# Altium PCB RevA3.PcbDoc (part 5 of 5) (continued)
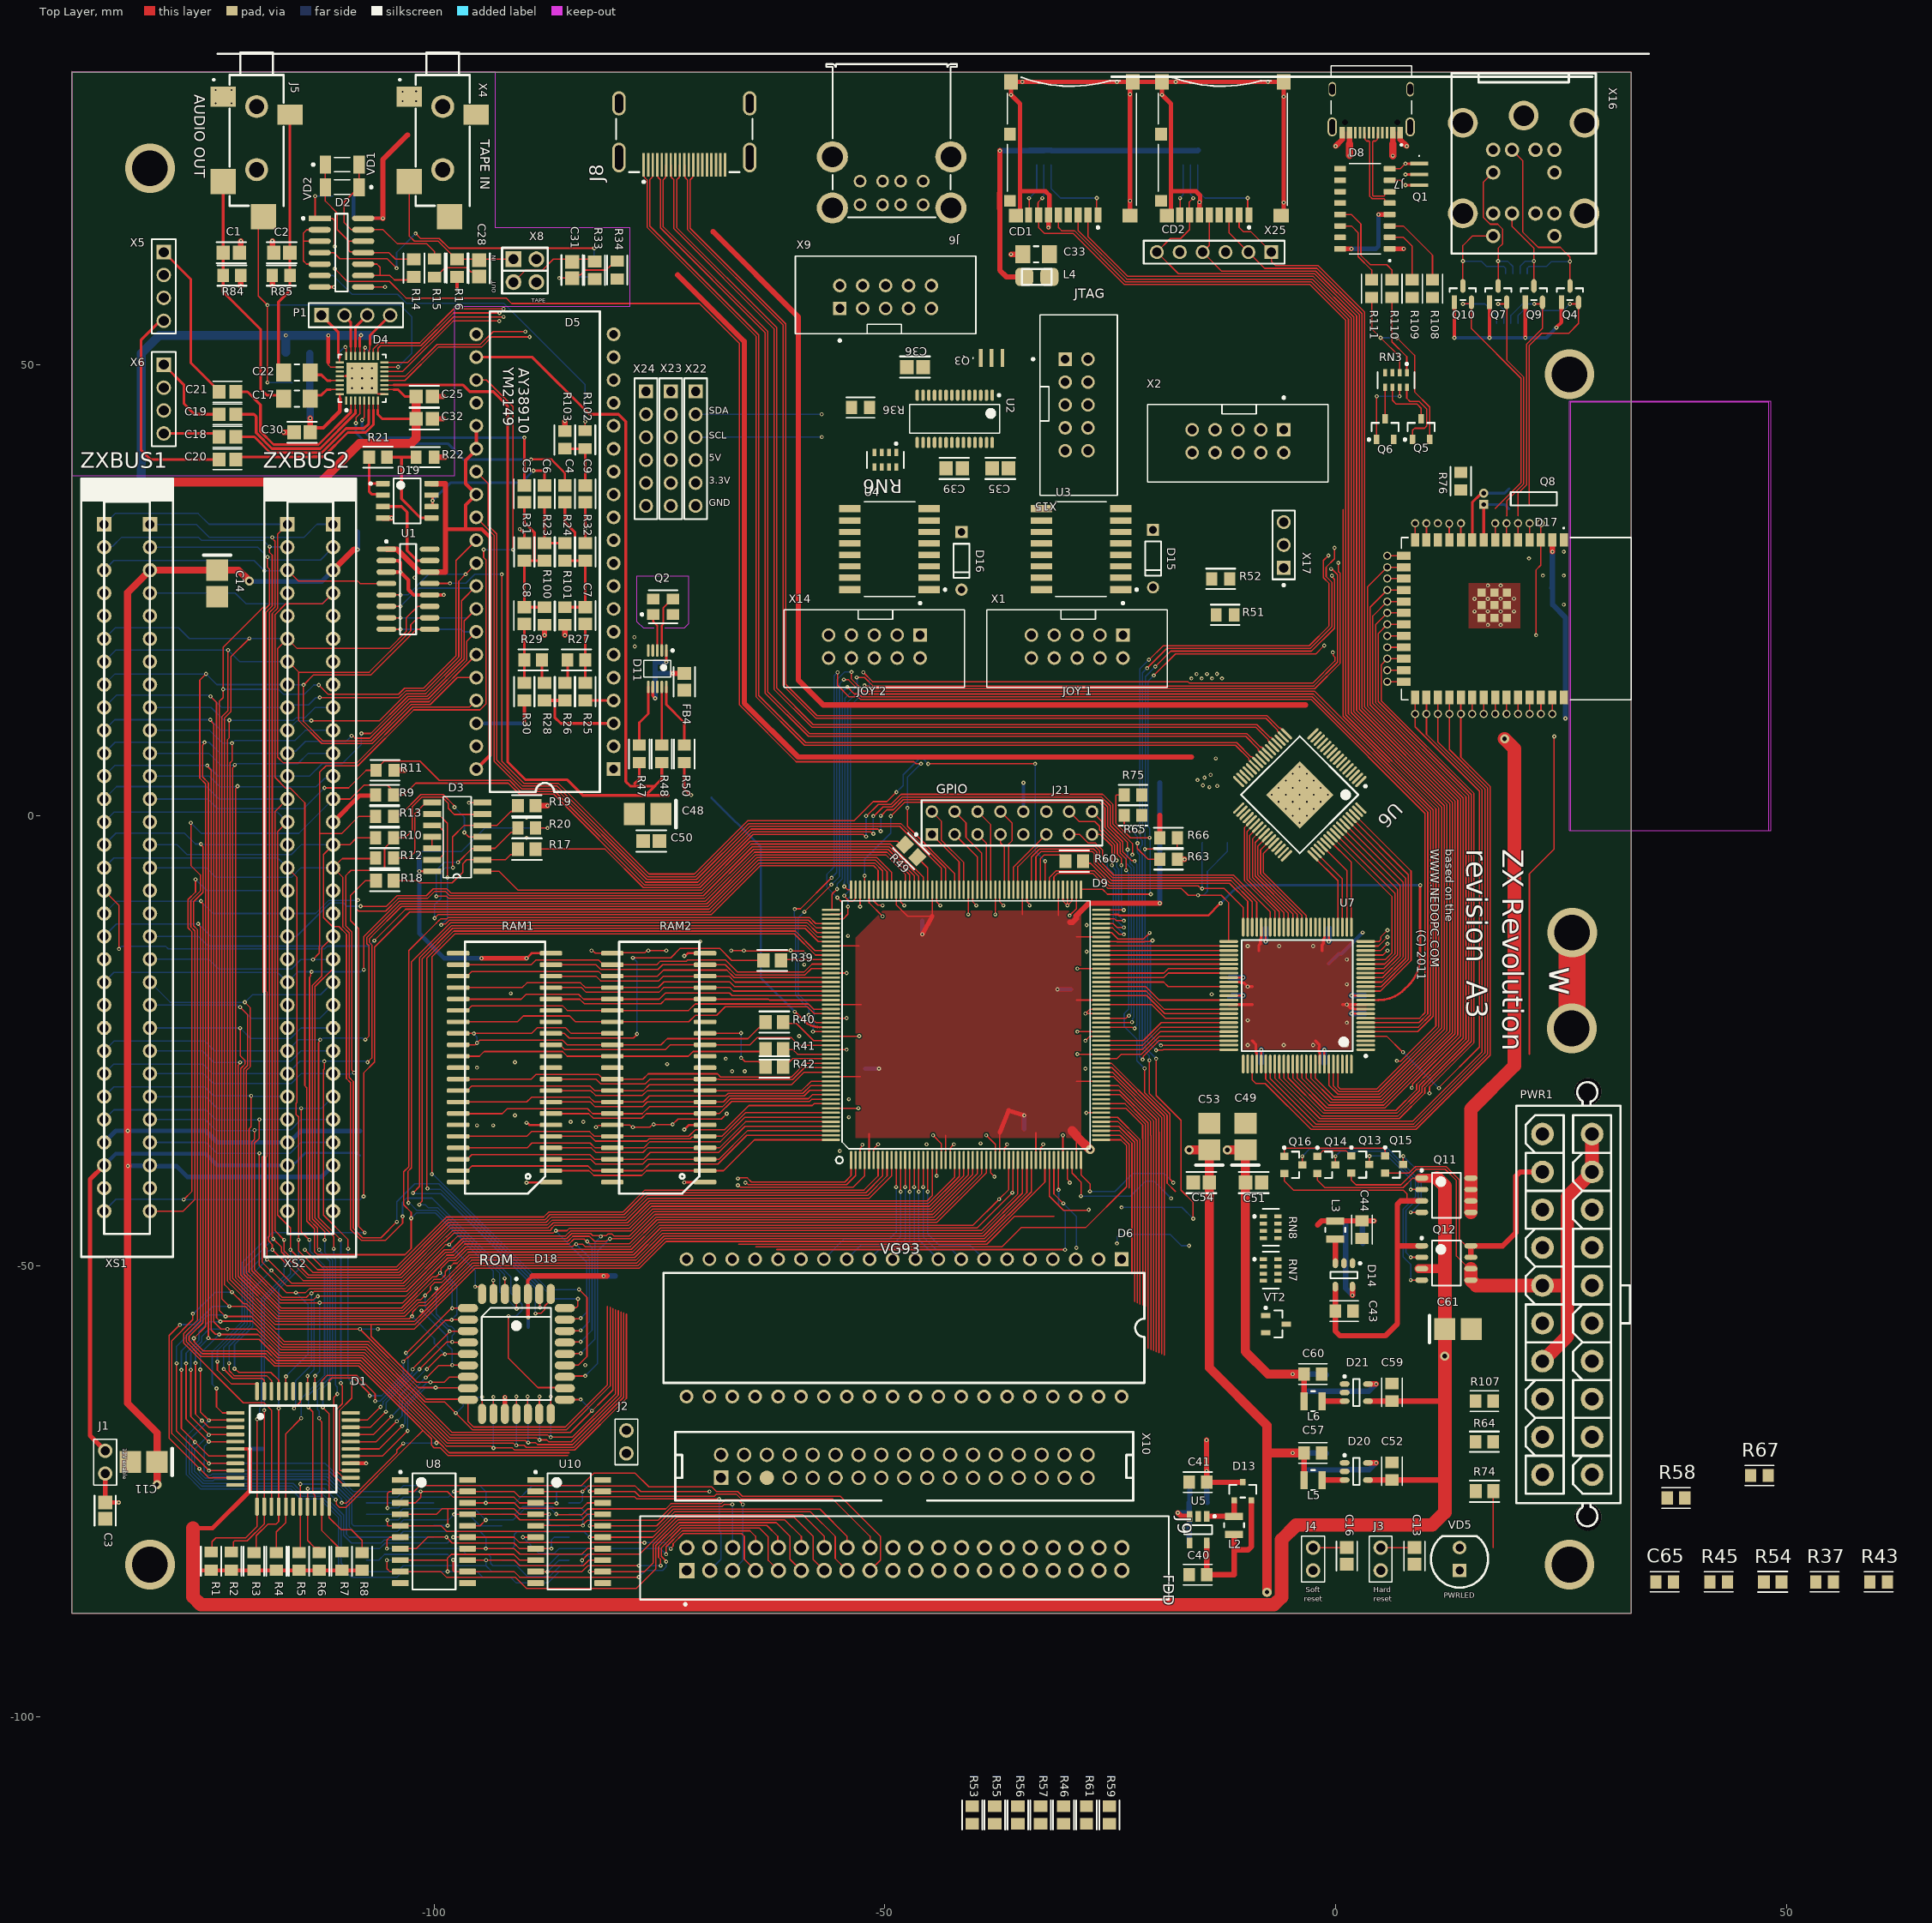
[diagram p0: Top Layer view]
## Nets (pads, with @x,y where several pads share a name; then routed paths per layer and width w, separated by ;. In a path a pad name is that pad's centre, name@x,y a point inside that pad or via, vN(x,y) a via of type N, cw(c..) or ccw(c..) an arc to the next point about the centre after c; other vN are vias at no path point) (continued)
  Bottom Layer w0.15: v1(-32.538,68.486) -32.538,68.607 -32.35,68.795 RN1.2@-32.35,72.2
SD0_MOSI_12: CD1.3 U7.95 | length 137.8
  Top Layer w0.15: CD1.3@-28.554,66.627 -28.554,64.88 -23.174,59.5 -2.591,59.5 1.729,55.18 1.729,11.394 12.058,1.066 12.058,-23.741 4.85,-30.949 0.253,-30.949 -0.75,-29.945 U7.95@-0.75,-27.6
SD0_SCLK_12: CD1.5 U7.96 | length 138.3
  Top Layer w0.15: CD1.5@-30.754,66.627 -30.75,66.623 -30.75,65.229 -30.4,64.88 -28.978,64.88 -23.299,59.2 -2.715,59.2 1.429,55.056 1.429,11.27 11.758,0.942 11.758,-23.616 4.726,-30.649 0.377,-30.649 -0.25,-30.021 U7.96@-0.25,-27.6
SD1_MISO_12: CD2.7 RN2.2 U7.91 X25.6 | length 142.1
  Top Layer w0.15: CD2.7@-16.258,66.627 -16.258,67.954 cw(c-16.108,67.954) -16.214,68.06 v1(-15.788,68.486) ; CD2.7@-16.204,66.627 -16.204,65 -17.204,64 -18.33,64 X25.6@-19.83,62.5 -17.43,60.1 -2.328,60.1 2.329,55.443 2.329,11.643 12.658,1.314 12.658,-23.989 5.098,-31.549 -0.364,-31.549 -2.75,-29.162 U7.91@-2.75,-27.6
  Bottom Layer w0.15: RN2.2@-16.1,72.2 -16.1,68.916 -15.788,68.604 v1(-15.788,68.486)
SD1_MOSI_12: CD2.3 U7.89 X25.2 | length 127.7
  Top Layer w0.15: CD2.3@-11.804,66.627 -11.804,64.634 X25.2@-9.67,62.5 -7.87,60.7 -2.079,60.7 2.929,55.692 2.929,11.891 13.258,1.563 13.258,-24.238 5.347,-32.149 -0.764,-32.149 -3.75,-29.162 U7.89@-3.75,-27.6
SD1_SCLK_12: CD2.5 U7.90 X25.4 | length 130.7
  Top Layer w0.15: CD2.5@-14.004,66.627 -14.004,63.246 X25.4@-14.75,62.5 -12.65,60.4 -2.204,60.4 2.629,55.567 2.629,11.767 12.958,1.439 12.958,-24.114 5.223,-31.849 -0.564,-31.849 -3.25,-29.162 U7.90@-3.25,-27.6
SDVCC_3V3: C33.2 CD1.4 CD2.4 L4.1 X25.3
SPI_HOST.MISO_1: D9.115 U7.48 | length 33.7
  Top Layer w0.15: D9.115@-33.25,-8.25 -33.25,-4.593 -32.678,-4.022 -26.967,-4.022 -26.769,-4.219 -26.769,-5.309 -24.855,-7.223 -11.6,-7.223 -9.25,-9.573 U7.48@-9.25,-12.4
SPI_HOST.MOSI_1: D9.116 U7.47 | length 34.9
  Top Layer w0.15: D9.116@-33.75,-8.25 -33.75,-4.625 -32.949,-3.824 -32.904,-3.824 -32.802,-3.722 -26.843,-3.722 -26.469,-4.095 -26.469,-5.185 -24.731,-6.923 -11.452,-6.923 -8.75,-9.625 U7.47@-8.75,-12.4
SPI_HOST.S\S\E\L\_1: D9.119 U7.44 | length 36.9
  Top Layer w0.15: D9.119@-35.25,-8.25 -35.25,-5.701 -32.971,-3.422 -26.718,-3.422 -26.169,-3.97 -26.169,-5.06 -24.607,-6.623 -11.317,-6.623 -7.25,-10.69 U7.44@-7.25,-12.4
SPI_HOST.SCLK_1: R60.2 U7.49 | length 23
  Top Layer w0.15: R60.2@-28.013,-5.079 -27.766,-5.327 -27.176,-5.327 -24.979,-7.523 -11.761,-7.523 -9.75,-9.534 U7.49@-9.75,-12.4
SPI_SLAVE.MISO_1: D9.158 U7.8 | length 130.6
  Top Layer w0.15: D9.158@-56,-11 -55.95,-10.95 -54.973,-10.95 -54.725,-10.702 -54.725,-9.671 v1(-55.277,-9.119) ; v4(-55.25,15.865) -55.25,14.431 -53.984,13.165 -53.009,13.165 -52.709,12.865 -2.711,12.865 9.929,0.225 9.929,-21.901 9.329,-22.5 U7.8@3.35,-22.5
  Bottom Layer w0.15: v1(-55.277,-9.119) -56.455,-7.941 -56.455,-6.551 -55.638,-5.733 -55.638,15.477 v4(-55.25,15.865)
SPI_SLAVE.MOSI_1: D9.157 U7.7 | length 125.3
  Top Layer w0.15: D9.157@-56,-10.5 -55.852,-10.45 -55.852,-8.794 cw(c-55.702,-8.794) -55.808,-8.688 v1(-55.301,-8.181) ; v4(-54.161,14.239) -53.388,13.465 -52.885,13.465 -52.585,13.165 -2.587,13.165 10.229,0.349 10.229,0.196 10.229,-22.025 9.254,-23 U7.7@3.35,-23
  Bottom Layer w0.15: v1(-55.301,-8.181) -55.275,-8.155 -55.275,-7.588 -54.733,-7.046 -54.733,13.667 v4(-54.161,14.239)
SPI_SLAVE.SCLK_1: D9.184 U7.6 | length 145.4
  Top Layer w0.15: v1(-58.935,-10.715) -58.935,-10.703 -55.93,-7.698 v1(-55.93,-7.687) ; v1(-57.977,-23.989) -57.972,-23.995 -56.005,-23.995 D9.184@-56,-24 ; v4(-54.563,15.067) -54.538,15.042 -54.038,15.042 -52.461,13.465 -2.463,13.465 10.529,0.474 10.529,0.32 10.529,-22.149 9.178,-23.5 U7.6@3.35,-23.5
  Bottom Layer w0.15: -59.574,-19.875 -57.919,-21.53 cw(c-58.025,-21.637) -57.875,-21.637 -57.875,-23.389 -57.95,-23.464 -57.95,-23.962 v1(-57.977,-23.989) ; -59.574,-19.875 cw(c-59.469,-19.768) -59.619,-19.768 -59.619,-11.399 v1(-58.935,-10.715) ; v1(-55.93,-7.687) -55.033,-6.79 -55.033,14.597 v4(-54.563,15.067)
SPK_LN_3: D4.23 P1.2 | length 4.8
  Top Layer w0.15: D4.23@-109.25,50.975 -109.25,52
  Top Layer w0.3: P1.2@-109.96,55.5 -109.96,55.401 -109.25,54.691 -109.25,52
SPK_LP_3: D4.25 P1.1 | length 6.1
  Top Layer w0.15: -110.5,50.75 -110.5,50.275 D4.25@-110.475,50.25
  Top Layer w0.3: P1.1@-112.5,55.5 -110.652,53.652 -110.652,51.327 -110.5,51.175 -110.5,50.75
SPK_RN_3: D4.19 P1.4 | length 5.5
  Top Layer w0.15: D4.19@-107.25,50.975 -107.25,51.564 -107.149,51.665 -107.149,51.669 -107.133,51.684 -107.133,52.207 -107.124,52.216
  Top Layer w0.3: -107.124,52.216 -107.123,52.217 -107.123,53.257 P1.4@-104.88,55.5
SPK_RP_3: D4.22 P1.3 | length 5.1
  Top Layer w0.15: D4.22@-108.75,50.975 -108.75,52
  Top Layer w0.3: -108.75,52 -108.75,54.17 P1.3@-107.42,55.5
STB_3V3: C38.1 C44.2 C47.2 C113.1 C114.1 D8.4 D8.16 D17.2 L3.2 R107.1 R121.2 RN3.3 RN3.4 | length 39.9
  Top Layer w0.5: D8.16@0.5,62.86 v1(1.75,62.86) ; v1(4.75,66.67) D8.4@6,66.67
  Top Layer w0.6: -2,-45.431 -1.569,-45 L3.2@-0.026,-45 C44.2@2.924,-45 v1(4.25,-45) ; D17.2@24.026,30.601 D17.2@24.052,30.575 v1(24.052,29.25)
  Bottom Layer w0.5: v1(1.75,62.86) C38.1@3.25,62.86 4.457,62.86 4.75,63.153 v1(4.75,66.67)
  Bottom Layer w0.6: R121.2@3.024,-47.5 2.974,-47.45 2.974,-45.05 C47.2@2.924,-45 v1(4.25,-45) ; v1(24.052,29.25) 24.052,28 24.052,25.302 C113.1@24,25.25 24.077,25.173 24.077,23.386 25.5,21.963 v1(25.5,10.75)
STEP_1: D6.15 D9.46 D12.5 | length 10.8
  Top Layer w0.15: D9.46@-31.25,-38.25 -31.25,-42.008 v1(-30.2,-43.058)
  Bottom Layer w0.15: v1(-30.2,-43.058) -28.75,-44.508 v1(-28.75,-48)
T\R\0\0\_5: D6.34 R55.1 X10.26
TAPE_BIT_1: D2.8 D17.23 | length 4.2
  Top Layer w0.15: D2.8@-107.868,58.63 v1(-105.446,58.63) ; v2(5.737,18.65) D17.23@7.562,18.65
  other v1: -13.297,6.318
  other v4: -12.609,15.19
TAPE_IN_4: C28.1 R16.2 X4.2 X8.1 | length 18.6
  Top Layer w0.15: X4.2@-102.75,70.35 -102.75,64.265 -102.201,63.716 -99.556,63.716 R16.2@-97.55,61.71 ; R16.2@-97.45,61.702 -94.75,61.702 -91.208,61.702 X8.1@-91.2,61.71
TAPE_OUT_4: C31.2 R33.2 X8.3 | length 10.1
  Top Layer w0.15: X8.3@-91.2,59.17 -89.902,60.468 -88.018,60.468 -86.776,61.71 -84.7,61.71 R33.2@-82.2,61.71
TCK_FPGA_1: D9.1 R72.2 U7.24 X15.1 | length 17.6
  Top Layer w0.15: v1(-66.298,-40.302) -66.223,-40.227 -65.258,-40.227 -64.808,-40.677 -54.444,-40.677 -53.75,-39.983 D9.1@-53.75,-38.25 ; U7.24@3.35,-14.5 4.75,-14.5 v1(5.75,-13.5)
TDI_FPGA_1: D9.153 R71.2 X15.9 | length 80.2
  Top Layer w0.15: v1(-52.253,-6.7) -52.252,-6.701 -52.252,-8.248 D9.153@-52.25,-8.25 ; v1(-49.351,-0.082) -47.834,1.435 -26.209,1.435 -25.592,0.818 -25.592,-1.355 -23.911,-3.036 -23.911,-4.171 -23.236,-4.846 v1(-23.236,-6.098) ; v1(-21.188,-28.08) -21.19,-28.083 -21.19,-30.761 -18.695,-33.257 -18.695,-40.805 -17.777,-41.723
  Bottom Layer w0.15: v1(-52.253,-6.7) -52.253,-4.875 -49.351,-1.973 v1(-49.351,-0.082) ; v1(-23.236,-6.098) -23.236,-6.165 -22.96,-6.442 -22.96,-21.5 -23.452,-21.992 -23.452,-23.431 -22.051,-24.833 -22.051,-27.217 v1(-21.188,-28.08)
TDO_CPLD_1: U7.25 X15.3 | length 3.1
  Top Layer w0.15: U7.25@3.35,-14 4.826,-14 5,-13.826 5,-13.5 v1(5.75,-12.75)
TDO_FPGA_1: D9.4 U7.23 | length 28.5
  Top Layer w0.15: v1(-66.298,-41.052) -66.21,-41.052 -65.985,-41.277 -53.527,-41.277 -52.25,-40 D9.4@-52.25,-38.25 ; U7.23@3.35,-15 5,-15 v1(5.75,-14.25)
  Bottom Layer w0.15: v1(-24.25,-47.5) -24.25,-46.75 -23.994,-46.494 -18.351,-46.494 -17.095,-47.75 v1(-16.25,-47.75)
TMS_FPGA_1: D9.50 R73.2 U7.22 X15.5 | length 18.5
  Top Layer w0.15: D9.50@-29.25,-38.25 -29.238,-38.261 -29.238,-39.688 -28.25,-40.676 v1(-28.25,-42.25) ; U7.22@3.35,-15.5 5.25,-15.5 v1(5.75,-15)
  Bottom Layer w0.15: v1(-28.25,-42.25) -22.75,-42.25 -21.074,-40.574 -20.176,-40.574 v1(-18.25,-42.5)
TXD_TTL: D8.3 R108.2 | length 8.8
  Top Layer w0.15: D8.3@6,65.4 7.518,65.4 10.75,62.168 R108.2@10.75,59.427
USB1_7_n: U2.10 X9.3
USB1_7_p: U2.11 X9.5
USB2_7_n: U2.8 X9.4
USB2_7_p: U2.9 X9.6
USB3_7_n: J6.2 U2.4
USB3_7_p: J6.3 U2.5
USB4_7_n: J6.6 U2.6
USB4_7_p: J6.7 U2.7
USB_1_n: D17.13 U2.15 X17.1 | length 1.9
  Top Layer w0.15: D17.13@10.082,30.575 v2(10.082,32.4)
  Bottom Layer w0.15: X17.1@-5.75,27.46 X17.1@-5.731,27.479
USB_1_p: D17.14 U2.16 X17.2 | length 1.8
  Top Layer w0.15: D17.14@8.812,30.575 v2(8.812,32.4)
USB_DEV_7_n: D8.6 J7.B7 | length 9.6
  Top Layer w0.15: J7.B7@4.7,75.75 4.625,75.675 4.625,74.986 4.464,74.825 4.188,74.825 4.1,74.737 4.1,68.813 4.188,68.725 5.371,68.725 5.459,68.813 5.459,68.975 5.694,69.21 D8.6@6,69.21
USB_DEV_7_p: D8.5 J7.B6 | length 10.1
  Top Layer w0.15: J7.B6@3.2,75.75 3.275,75.675 3.275,74.986 3.436,74.825 3.712,74.825 3.8,74.737 3.8,68.689 4.064,68.425 5.371,68.425 5.459,68.337 5.459,68.175 5.694,67.94 D8.5@6,67.94
V\G\_\C\S\_1: D6.3 D9.45 R62.1 | length 9
  Top Layer w0.15: D9.45@-31.75,-38.25 -31.75,-42.25 -30.181,-43.819 -27.455,-43.819 v1(-27.386,-43.75)
V\G\_\R\E\S\_1: D6.19 D9.54 D10.3 R38.2 | length 44.6
  Top Layer w0.15: -66.252,-47.577 -38.703,-47.577 -35.626,-44.5 -31.25,-44.5 ; D9.54@-25.95,-35.5 -23.896,-35.5 -22.895,-36.501 -22.895,-41.34
VCC5: D3.14
VCC12S: C27.1 J1.1 XS1.B29 XS2.B29 | length 63.5
  Top Layer w0.5: XS1.B29@-136.61,-38.83 -138.174,-40.394 -138.174,-68.826 J1.1@-136.5,-70.5
  Bottom Layer w0.254: XS2.B29@-116.29,-38.83 -116.032,-38.572 -115.408,-38.572 -114.291,-37.455 -108.545,-37.455 C27.1@-108.25,-37.75
  Bottom Layer w0.4: XS1.B29@-136.91,-39.13 XS1.B29@-136.61,-38.83 -135.333,-37.553 -125.353,-37.553 -124.076,-38.83 XS2.B29@-116.29,-38.83
VDAT0: D9.96 U7.52 | length 29.2
  Top Layer w0.15: D9.96@-26,-14.5 D9.96@-25.334,-14.5 ; D9.96@-25.311,-14.523 D9.96@-25.334,-14.5 ; U7.52@-11.6,-14.5 U7.52@-11.85,-14.5 ; D9.96@-25.334,-14.5 D9.96@-26,-14.5 D9.96@-25.334,-14.5 ; D9.96@-25.334,-14.5 -25.075,-14.5 U7.52@-11.85,-14.5 ; D9.96@-25.334,-14.5 U7.52@-11.85,-14.5
VDAT1: D9.94 U7.54 | length 14.4
  Top Layer w0.15: D9.94@-26,-15.5 U7.54@-11.85,-15.5 U7.54@-11.6,-15.5
VDAT2: D9.92 U7.56 | length 14.4
  Top Layer w0.15: D9.92@-26,-16.5 U7.56@-11.85,-16.5 U7.56@-11.6,-16.5
VDAT3: D9.89 U7.58 | length 14.4
  Top Layer w0.15: D9.89@-26,-18 -19.063,-18 -18.564,-17.5 U7.58@-11.85,-17.5
VDAT4: D9.87 U7.64 | length 14.8
  Top Layer w0.15: D9.87@-26,-19 -21.064,-19 -19.563,-20.5 U7.64@-11.85,-20.5
VDAT5: D9.85 U7.67 | length 15
  Top Layer w0.15: D9.85@-26,-20 -20.958,-20 -18.958,-22 U7.67@-11.85,-22
VDAT6: D9.75 U7.69 | length 15
  Top Layer w0.15: D9.75@-26,-25 -21.331,-25 -19.331,-23 U7.69@-11.85,-23
VDAT7: D9.73 U7.71 | length 15
  Top Layer w0.15: D9.73@-26,-26 -21.461,-26 -19.461,-24 U7.71@-11.85,-24
VDAT8: D9.71 U7.72 | length 15.2
  Top Layer w0.15: D9.71@-26,-27 -24.252,-27 -23.752,-26.5 -21.527,-26.5 -20.589,-25.562 -19.527,-24.5 U7.72@-11.85,-24.5
VDAT9: D9.74 U7.70 | length 15
  Top Layer w0.15: D9.74@-26,-25.5 -21.399,-25.5 -19.399,-23.5 U7.70@-11.85,-23.5
VDAT10: D9.83 U7.68 | length 14.8
  Top Layer w0.15: D9.83@-26,-21 -20.403,-21 -18.903,-22.5 U7.68@-11.85,-22.5
VDAT11: D9.86 U7.66 | length 15
  Top Layer w0.15: D9.86@-26,-19.5 -21.018,-19.5 -19.018,-21.5 U7.66@-11.85,-21.5
VDAT12: D9.88 U7.61 | length 14.4
  Top Layer w0.15: D9.88@-26,-18.5 -19.064,-18.5 -18.563,-19 U7.61@-11.85,-19
VDAT13: D9.90 U7.57 | length 15.3
  Top Layer w0.15: U7.57@-11.85,-17 -18.558,-17 -19.058,-17.5 D9.90@-25.075,-17.5 ; D9.90@-25.075,-17.5 D9.90@-26,-17.5 D9.90@-25.075,-17.5
VDAT14: D9.93 U7.55 | length 14.4
  Top Layer w0.15: D9.93@-26,-16 U7.55@-11.85,-16 U7.55@-11.6,-16
VDAT15: D9.95 U7.53 | length 14.4
  Top Layer w0.15: D9.95@-26,-15 U7.53@-11.85,-15 U7.53@-11.6,-15
VG93_12V: C41.2 C42.1 C45.2 D6.40 D13.3 R113.2 R127.1 | length 12.2
  Top Layer w0.6: v1(-14.322,-69.323) -14.322,-72.728 v1(-14.3,-72.75) C41.2@-14.3,-74 D13.3@-10.3,-74
  Bottom Layer w0.6: v1(-14.3,-72.75) -14.3,-76.2 C42.1@-14.25,-76.25
VG_A0_1: D9.69 D10.1 | length 35.2
  Top Layer w0.15: D9.69@-26,-28 -24.801,-28 -19.307,-33.494 -19.307,-34.998 -19.295,-35.01 -19.295,-59.762
VG_A1_1: D9.70 D10.2 | length 35.9
  Top Layer w0.15: D9.70@-26,-27.5 -24.876,-27.5 -19.007,-33.37 -19.007,-34.874 -18.995,-34.886 -18.995,-59.886
VG_CLK_1: D6.24 D9.56 | length 22.2
  Top Layer w0.15: D9.56@-26,-34.5 -24.048,-34.5 -22.295,-36.253 -22.295,-53.976
VG_DRQ_1: D6.38 D9.63 R61.1 | length 31.5
  Top Layer w0.15: D9.63@-26,-31 -25.995,-30.995 -23.927,-30.995 -20.807,-34.115 -20.807,-35.62 -20.795,-35.631 -20.795,-59.141
VG_DS0_5: D7.3 D10.11
VG_DS1_5: D7.5 D10.10
VG_DS2_5: D7.9 D10.9
VG_DS3_5: D7.1 D10.7
VG_HRDY_1: D6.23 D7.13 D9.55 | length 18.5
  Top Layer w0.15: D9.55@-26,-35 -23.972,-35 -22.595,-36.377 -22.595,-50.857
VG_IRQ_1: D6.39 D9.64 R59.1 | length 32.5
  Top Layer w0.15: D6.39@-26.29,-64.49 D6.39@-25.983,-64.49 ; D9.64@-26,-30.5 -23.998,-30.5 -20.507,-33.991 -20.507,-35.495 -20.495,-35.507 -20.495,-59.265
VG_MOT_5: D6.28 D6.32 D10.6 D12.1
VG_RAWR_1: D6.27 D9.58 | length 23.6
  Top Layer w0.15: D9.58@-26,-33.5 -24.199,-33.5 -21.695,-36.004 -21.695,-54.225
VG_RCLK_1: D6.26 D9.57 | length 22.9
  Top Layer w0.15: D9.57@-26,-34 -24.123,-34 -21.995,-36.128 -21.995,-54.101
VG_SIDE_1: D9.65 D12.11 | length 32.9
  Top Layer w0.15: D9.65@-26,-30 -24.073,-30 -20.207,-33.867 -20.207,-35.371 -20.195,-35.383 -20.195,-59.389
VG_SL_1: D6.17 D9.47 | length 42.2
  Top Layer w0.15: -61.98,-48.177 -30.032,-48.177 v1(-30.007,-48.202) ; D9.47@-30.75,-38.25 -30.737,-38.262 -30.737,-41.54 v1(-30.725,-41.552)
  Bottom Layer w0.15: v1(-30.725,-41.552) -30.725,-43.275 -30.007,-43.993 v1(-30.007,-48.202)
VG_SR_1: D6.18 D9.53 | length 51.5
  Top Layer w0.15: -64.321,-47.877 -37.011,-47.877 -34.884,-45.75 -27.729,-45.75 -23.195,-41.216 -23.195,-36.625 -23.82,-36 D9.53@-26,-36
VG_TR43_1: D6.29 D9.60 | length 25.4
  Top Layer w0.15: D9.60@-26,-32.5 -23.27,-32.5 -21.407,-34.364 -21.407,-35.868 -21.395,-35.88 -21.395,-54.349
VG_WD_1: D6.31 D9.61 | length 26.1
  Top Layer w0.15: D9.61@-26,-32 -23.346,-32 -21.107,-34.239 -21.107,-35.744 -21.095,-35.756 -21.095,-54.5
VG_WF_DE: D6.33 R53.1
VG_WRD_1: D9.67 D12.9 | length 33.8
  Top Layer w0.15: D9.67@-26,-29 -24.649,-29 -19.907,-33.742 -19.907,-35.247 -19.895,-35.259 -19.895,-59.514
VSYNC_1: D9.112 U6.2 U7.50 | length 32.2
  Top Layer w0.15: D9.112@-31.75,-8.25 -31.75,-6.899 -31.009,-6.158 -26.769,-6.158 -25.104,-7.823 -15.233,-7.823 -14.933,-8.123 -12.345,-8.123 -10.25,-10.218 U7.50@-10.25,-12.4
  Bottom Layer w0.15: v1(-14.811,-8.123) -14.811,-3.061 -14.75,-3
VUSB: J7.A4_B9 J7.B4_A9 Q11.5 Q11.6 Q11.7 Q11.8 | length 60.1
  Top Layer w0.6: v1@1.55,73.214 v1(1.551,73.213) ; 1.55,74.505 J7.B4_A9@1.55,75.75 ; v1@6.35,73.196 v1(6.351,73.194) ; 6.35,74.505 J7.A4_B9@6.35,75.75
  Top Layer w0.8: v1@1.55,73.214 1.55,74.505 ; v1@6.35,73.196 6.35,74.505
  Top Layer w1.5: Q11.5@15.01,-44.057 Q11.6@15.01,-42.787 Q11.7@15.01,-41.517 Q11.8@15.01,-40.247 15.01,-32.606 19.839,-27.778 19.839,7.411 v6(18.75,8.5)
W\A\I\T\_1: D1.21 D9.143 R7.1 XS1.B21 XS2.B21 | length 168
  Top Layer w0.15: v1(-113.602,-17.357) -113.688,-17.443 -113.688,-17.82 -113.825,-17.957 -113.825,-44.898 -112.95,-45.773 -112.95,-48 ; v1(-112.75,-66.9) -112.75,-67.022 -112.45,-67.322 D1.21@-112.45,-76.7 -112.45,-79.375 -110.519,-81.306 R7.1@-110.25,-81.306 ; v1(-107.804,-17.134) -107.804,-13.459 -107.747,-13.403 -107.747,-13.397 -103.863,-9.513 -69.886,-9.513 -64.456,-4.083 -49.763,-4.083 -47.25,-6.596 D9.143@-47.25,-8.25
  Bottom Layer w0.15: XS1.B21@-136.934,-18.833 -135.535,-17.435 -117.365,-17.435 XS2.B21@-116.3,-18.5 ; XS2.B21@-116.29,-18.51 -115.137,-17.357 -108.148,-17.357 -107.925,-17.134 v1(-107.804,-17.134) ; v1(-112.75,-66.9) -112.75,-66.113 -112.925,-65.938 -112.925,-63.732 -111.563,-62.371 -111.563,-49.486 -112.75,-48.3 v1(-112.75,-48.2)
W\D\_5: D12.8 X10.22
W\G\_5: D12.12 X10.24
W\P\_5: D6.36 R57.1 X10.28
W\R\_1: D1.19 D6.2 D9.140 R6.2 XS1.B19 XS2.B19 | length 220.3
  Top Layer w0.15: v1(-126.175,-12.025) -126.175,-12.113 -125.95,-12.338 -125.95,-56.154 -127,-57.204 -127.488,-57.692 -127.488,-58.116 -127.5,-58.128 -127.5,-58.412 -125.874,-60.038 -118.797,-60.038 -117.735,-61.1 -108.382,-61.1 -101.916,-67.566 -101.239,-68.243 ; D1.19@-114.05,-76.8 -114.05,-80.45 -113.294,-81.206 R6.2@-112.65,-81.206 ; D1.19@-114.05,-76.7 -114.041,-76.691 -114.041,-74.734 v1(-114.032,-74.725) ; v1(-110.926,-75.938) -110.839,-76.024 -110.839,-76.44 -110.475,-76.805 -109.8,-76.805 -102.684,-69.688 -101.239,-68.243 ; v1(-108.163,-10.09) -105.289,-10.09 -104.112,-8.913 -100.862,-8.913 -100.103,-8.154 -98.608,-8.154 -98.149,-8.613 -70.259,-8.613 -64.828,-3.183 -49.39,-3.183 -45.75,-6.823 D9.140@-45.75,-8.25 ; -85.176,-71.025 -98.457,-71.025 -99.313,-70.169 -99.995,-70.169 -100.292,-69.872 -100.292,-69.19 -101.239,-68.243
  Bottom Layer w0.15: XS1.B19@-136.985,-13.805 -135.242,-12.062 -126.212,-12.062 v1(-126.175,-12.025) ; v1@-126.175,-12.062 -126.138,-12.062 -124.77,-13.43 XS2.B19@-116.29,-13.43 -115.27,-13.43 -111.565,-9.725 -110.054,-9.725 -109.701,-10.077 -108.177,-10.077 v1(-108.163,-10.09) ; v1(-114.032,-74.725) -112.139,-74.725 v1(-110.926,-75.938)
WG_5: D6.30 D12.13
WRDAC_1: D9.113 U1.13 | length 114.2
  Top Layer w0.15: U1.13@-100.5,25.73 -100.49,25.74 -98.26,25.74 v1(-98.25,25.75) ; v1(-92.5,26.75) -92.5,5.995 -90.068,3.563 -86.245,3.563 -76.169,-6.513 -71.133,-6.513 -66.685,-2.065 -65.87,-1.25 -65.228,-0.608 -53.429,-0.608 -51.298,1.523 -49.768,1.523 v1(-48.722,2.57) ; v1(-45.201,5.719) -45.199,5.722 -33.329,5.722 v1(-33.326,5.725) ; D9.113@-32.25,-8.25 -32.234,-8.234 -32.234,-5.095 v1(-32.219,-5.079)
  Bottom Layer w0.15: v1(-98.25,25.75) -96.497,25.75 -95.497,26.75 v1(-92.5,26.75) ; v1(-48.722,2.57) -47.979,3.312 -47.979,4.488 -46.217,6.25 -45.732,6.25 v1(-45.201,5.719) ; v1(-33.326,5.725) -33.326,-3.972 v1(-32.219,-5.079)
pads on no net: CD1.9 CD1.10 CD2.9 CD2.10 D1.11 D1.17 D1.33 D1.39 D4.1 D4.27 D4.30 D5.2 D5.5 D5.6 D5.7 D5.8 D5.9 D5.10 D5.11 D5.12 D5.13 D5.14 D5.15 D5.16 D5.17 D5.18 D5.19 D5.20 D5.21 D5.39 D6.1 D6.25 D8.15 D9.62 D10.12 D10.13 D10.14 D10.15 D14.1 J5.5 J5.6 J7. J7.A5 J7.A6 J7.A7 J7.A8 J7.B5 J7.B8 J8.14 J9.1 J9.20 J9.21 J9.23 J9.25 J9.27 J9.28 J9.29 J9.31 J9.32 J9.33 J9.34 J9.35 J9.36 J9.37 J9.38 J9.39 J21.12 PWR1.1 PWR1.2 PWR1.11 PWR1.12 PWR1.18 PWR1.21 PWR1.22 RAM1.11 RAM1.12 RAM1.15 RAM1.16 RAM1.32 RAM2.11 RAM2.12 RAM2.15 RAM2.16 RAM2.32 RN1.4 RN2.4 RN6.1 RN7.4 RN7.5 RN8.4 RN8.5 U1.16 U3.13 U4.13 U6.3 U6.6 U6.7 U6.8 U6.12 U6.13 U6.14 U6.22 U6.28 U6.29 U7.1 U7.2 U7.3 U7.62 U7.76 U7.77 U7.98 U7.99 U7.100 X4.3 X4.4 X4.5 X4.6 X10.2 X10.4 X10.5 X10.34 X16.2 X16.6 X16.8 X16.12 X22.1 X23.1 X24.1 XS1.A5 XS1.A8 XS1.A17 XS1.A18 XS1.B4 XS1.B5 XS1.B20 XS1.B22 XS1.B23 XS2.A5 XS2.A8 XS2.A17 XS2.A18 XS2.A31 XS2.B4 XS2.B5 XS2.B20 XS2.B22 XS2.B23 XS2.B31
copper on no net: | length 213.7
  Top Layer w0.6: -73,59.975 -65.6,52.575 -65.6,12.459 -59.616,6.475 -57.5,6.475 -51.025,6.475 -43.676,6.475 -29.131,6.475 -22.245,6.475 -19.75,6.475 -16,6.475 ; -69.058,64.758 -59.6,55.3 -59.6,15.014 -56.836,12.25 -3.337,12.25
  other v7: -131.53,-83.14 25.95,-83.14 25.95,48.94 -131.53,71.8

## Polygon pours and split planes (outlines as drawn)
GND on Top Layer "GND_L01_P023" (solid, pour order 23): 14.75,25.75 14.75,20.75 20.5,20.75 20.5,25.75
GND on Top Layer "Top Layer, Top-GND" (solid, remove dead copper, shelved, pour order 10): 32.8,-88.54 32.8,82.46 -140.2,82.46 -140.2,-88.54
GND on Top Layer "GND_L01_P028" (solid, pour order 28): -10.25,-26.002 -10.25,-14 1.75,-14 1.75,-26.002
3V3 on Top Layer "Top Layer, Top-VCC3V3" (solid, pour order 6): -53.25,-35.8 -28.25,-35.8 -28.25,-10.6 -50.25,-10.6 -53.25,-13.6
GND on Bottom Layer "Bottom Layer, Bottom-GND" (solid, remove dead copper, shelved, pour order 29): 32.8,82.46 -140.2,82.46 -140.2,-88.54 32.8,-88.54
3V3 on Mid Layer 2 "3V3_L03_P018" (solid, pour order 18): -9.25,-15 -9.25,-25 0.75,-25 0.75,-15
2V5 on Mid Layer 2 "Bottom Layer, Bottom-VCC2V5" (solid, pour order 12): -28.25,-35.8 -28.25,-10.6 -50.6,-10.6 -53.25,-13.25 -53.25,-35.8
GND on Mid Layer 1 (split plane): 32.29,46 25.944,46 25.944,-2 32.29,-2 32.29,-88.029 -139.689,-88.029 -139.689,37.674 -107.25,37.674 -107.221,37.679 -107.196,37.696 -107.179,37.721 -107.174,37.75 -107.179,37.779 -107.196,37.804 -107.221,37.821 -107.25,37.826 -109.924,37.826 -109.924,48.5 -109.929,48.529 -109.946,48.554 -109.971,48.571 -110,48.576 -110.029,48.571 -110.054,48.554 -110.071,48.529 -110.076,48.5 -110.076,37.826 -139.689,37.826 -139.689,81.95 -115.326,81.95 -115.326,56.5 -115.321,56.471 -115.304,56.446 -115.279,56.429 -115.25,56.424 -114.032,56.424 -113.969,56.361 -113.969,53.143 -113.964,53.114 -113.947,53.089 -111.304,50.446 -111.292,50.438 -111.279,50.429 -111.25,50.424 -110.076,50.424 -110.076,49 -110.071,48.971 -110.054,48.946 -110.029,48.929 -110,48.924 -109.971,48.929 -109.946,48.946 -109.929,48.971 -109.924,49 -109.924,50.424 -108.75,50.424 -108.721,50.429 -108.696,50.446 -108.679,50.471 -108.674,50.5 -108.679,50.529 -108.696,50.554 -108.721,50.571 -108.75,50.576 -111.218,50.576 -113.816,53.175 -113.816,56.393 -113.822,56.422 -113.823,56.424 -103.326,56.424 -103.326,53.282 -106.032,50.576 -108.128,50.576 -108.157,50.571 -108.182,50.554 -108.198,50.529 -108.204,50.5 -108.198,50.471 -108.182,50.446 -108.157,50.429 -108.128,50.424 -106,50.424 -105.971,50.429 -105.946,50.446 -103.196,53.196 -103.179,53.221 -103.174,53.25 -103.174,56.424 -97.826,56.424 -97.826,37.826 -106.5,37.826 -106.529,37.821 -106.554,37.804 -106.571,37.779 -106.576,37.75 -106.571,37.721 -106.554,37.696 -106.529,37.679 -106.5,37.674 -97.75,37.674 -97.721,37.679 -97.696,37.696 -97.679,37.721 -97.674,37.75 -97.674,56.424 -78.25,56.424 -78.221,56.429 -78.196,56.446 -78.179,56.471 -78.174,56.5 -78.179,56.529 -78.196,56.554 -78.221,56.571 -78.25,56.576 -115.174,56.576 -115.174,81.95 -93.326,81.95 -93.326,65.25 -93.321,65.221 -93.304,65.196 -93.279,65.179 -93.25,65.174 -78.326,65.174 -78.326,57 -78.321,56.971 -78.304,56.946 -78.279,56.929 -78.25,56.924 -78.221,56.929 -78.196,56.946 -78.179,56.971 -78.174,57 -78.174,65.25 -78.179,65.279 -78.196,65.304 -78.221,65.321 -78.25,65.326 -93.174,65.326 -93.174,81.95 32.29,81.95

## Keep-outs
Top Layer:
  region: -140.2,82.538 -140.2,37.71 -97.7,37.71 -97.7,56.5 -78.251,56.5 -78.249,65.21 -93.2,65.21 -93.2,82.463
Bottom Layer:
  lines w0.05: -140.2,37.71 -140.2,44.96 -140.2,60.648 -140.2,68.21 ; -113.75,56.46 -113.75,51.747 -111.253,49.25 -110,49.25 ; -97.7,37.71 -97.7,37.71 ; -115.2,56.46 -115.2,56.46
Keep-Out Layer, Board:
  region: 26,-1.75 25.95,-1.7 25.95,46 48.25,46 48.25,-1.75
  lines w0.1: -77.5,21.485 -77.5,26.55 -71.75,26.55 -71.75,21.3 -72.25,20.8 -74.4,20.8 ; -77.5,21.5 -76.8,20.8 -75.6,20.8

## Other copper
Bottom Layer:
  pour cut-out: 22.267,52.75 22.14,52.623 22.14,45.257 22.267,45.13 29.633,45.13 29.76,45.257 29.76,52.623 29.633,52.75
  pour cut-out: 22.267,-79.33 22.14,-79.457 22.14,-86.823 22.267,-86.95 29.633,-86.95 29.76,-86.823 29.76,-79.457 29.633,-79.33
  pour cut-out: -135.213,75.61 -135.34,75.483 -135.34,68.117 -135.213,67.99 -127.847,67.99 -127.72,68.117 -127.72,75.483 -127.847,75.61
  pour cut-out: -135.213,-79.33 -135.34,-79.457 -135.34,-86.823 -135.213,-86.95 -127.847,-86.95 -127.72,-86.823 -127.72,-79.457 -127.847,-79.33
Mid Layer 1 (plane layer: these items are gaps in the copper):
  rectangle: -77,70.5 -71,73.75
  rectangle: 25.944,-2 32.75,46
  lines w0.15: -140.25,37.75 -107.25,37.75 ; -115.25,82 -115.25,82.5 ; -114,56.5 -113.893,56.393 -113.893,53.143 -111.25,50.5 -108.75,50.5 ; -110,37.75 -110,48.5 ; -110,49 -110,50.5 ; -108.128,50.5 -106,50.5 -103.25,53.25 -103.25,56.5 ; -106.5,37.75 -97.75,37.75 -97.75,56.5 ; -78.25,56.5 -115.25,56.5 -115.25,82.5 ; -78.25,57 -78.25,65.25 -93.25,65.25 -93.25,82.5 -115.25,82.5
  lines w0.254: 14.5,22.5 14.5,20.5 17,20.5 ; 14.5,24 14.5,26 17,26 ; 18.25,20.5 20.75,20.5 20.75,22.5 ; 18.25,26 20.75,26 20.75,24

## Silkscreen, mask and mechanical layers (free items; w line width, h text height)
Top Overlay:
  lines w0.254: -124.01,84.5 34.74,84.5 ; -24.85,81.96 28.49,81.96
  text "AUDIO OUT" at -127,80 h2 r270
  text "TAPE IN" at -95.25,75 h1.8 r270
  text "IN" at -92.95,61.46 h0.79 r90
  text "OUT" at -92.95,57.96 h0.79 r90
  text "JTAG" at -29,57 h1.8
  text "TAPE" at -89.2,56.71 h0.79
  text "YM2149" at -92.75,49.75 h2 r270
  text "AY38910" at -91,49.642 h2 r270
  text "SDA" at -69.5,44.264 h1.3
  text "SCL" at -69.5,41.514 h1.3
  text "5V" at -69.5,39.014 h1.3
  text "ZXBUS1" at -139.25,38 h3
  text "ZXBUS2" at -119,38 h3
  text "3.3V" at -69.5,36.514 h1.3
  text "GND" at -69.5,34.014 h1.3
  text "JOY 2" at -53.087,13.016 h1.52
  text "JOY 1" at -30.253,13.016 h1.52
  text "GPIO" at -44.306,2.035 h1.8
  text "WWW.NEDOPC.COM" at 10.224,-3.74 h1.6 r270
  text "based on the" at 11.885,-3.738 h1.52 r270
  text "ZX Revolution / revision  A3" at 13.75,-3.75 h4 r270
  text "(C) 2011" at 8.717,-12.695 h1.6 r270
  text "w" at 22.75,-16.75 h5 r270
  text "VG93" at -50.5,-49.05 h2
  text "ROM" at -95,-50.3 h2
  text "12V enable" at -134.75,-70.25 h0.79 r270
  text "FDD" at -19.5,-84.25 h2 r270
  text "Soft" at -3.3,-86.387 h1
  text "Hard" at 4.2,-86.387 h1
  text "PWRLED" at 12,-87 h1
  text "reset" at -3.496,-87.387 h1
  text "reset" at 4.2,-87.387 h1
Mechanical 1, Top Assy:
  lines w0.05: -123.029,85.044 -115.105,85.044 ; -102.532,85.831 -96.588,85.831
  lines w0.15: -140.2,-88.54 32.8,-88.54 32.8,82.46 -140.2,82.46 -140.2,-88.54
Top Value:
  lines w0.15: -27.508,4.5 -27.108,4.5 -26.526,3.918 -26.526,1.961 -24.5,-0.065 -24,-0.065 ; -27.508,5.5 -27.072,5.5 -25.75,4.178 -25.75,2.75 -25.25,2.25 -24,2.25 ; -17,-2.5 -16.5,-2.5 -16,-3 -16,-7.373 -14.997,-8.376 -10.75,-8.376 ; 13,34.5 13,35.25 13.25,35.5
  text "USB_N" at 9.816,34.538 h1 r270
  text "USB_P" at 8.604,34.508 h1 r270
  text "DCLK" at 12.627,34.348 h1 r270
  text "STATUS" at 11.076,29.499 h1 r270
  text "DATA0" at 12.404,29.509 h1 r270
  text "MOUSE_CLK" at 17.519,29.504 h1 r270
  text "KEYB_CLK" at 18.793,29.512 h1 r270
  text "MOUSE_DAT" at 20.091,29.52 h1 r270
  text "PRGRST" at 22.511,29.5 h1 r270
  text "KEYB_DAT" at 21.365,29.48 h1 r270
  text "DCLK" at 13.56,29.467 h1 r270
  text "X2" at 14.834,29.429 h1 r270
  text "X1" at 16.137,29.437 h1 r270
  text "CPLD_SSEL" at 1.107,28.625 h1
  text "IO46" at 4.425,27.302 h1
  text "25 MHz" at -76.501,27.064 h1.3
  text "CONFIG_DONE" at -0.355,25.802 h1
  text "S_SSEL" at 2.956,24.736 h1
  text "S_MISO" at 2.956,23.483 h1
  text "S_SCLK" at 2.853,22.239 h1
  text "S_MOSI" at 2.919,20.995 h1
  text "CONFIG" at 2.816,19.547 h1
  text "SOFTRESET" at 8.518,19.56 h1 r270
  text "TAPE_BIT" at 2.03,18.433 h1
  text "M_SCLK" at 11.079,17.868 h1 r270
  text "DACLRC" at 16.111,17.855 h1 r270
  text "ADCDAT" at 18.674,17.855 h1 r270
  text "DACDAT" at 17.393,17.819 h1 r270
  text "M_SSEL" at 13.559,17.775 h1 r270
  text "I2C_SDA" at 23.781,17.744 h1 r270
  text "M_MOSI" at 9.798,17.721 h1 r270
  text "M_MOSI" at 12.322,17.712 h1 r270
  text "I2C_SCL" at 22.537,17.713 h1 r270
  text "ATX POWER" at 0.87,17.058 h1
  text "BCLK" at 14.812,16.547 h1 r270
  text "RXD" at 19.935,15.945 h1 r270
  text "TXD" at 21.114,15.937 h1 r270
  text "SPI_IRQ" at 2.73,15.844 h1
  text "IO45" at 4.293,14.498 h1
  text "CONFIG" at -31.279,5.229 h1
  text "STATUS" at -31.306,4.245 h1
  text "CONFIG_DONE" at -10.468,-8.866 h1

## Text inside footprints (layer, text, board x,y; h text height)
D4: Top Value "WM8960" at -109.223,46.749 h1.2 r45
D11: Top Value "Si5351A" at -77.667,18.053 h1.2 r270
D18: Top Value "SST39SF040" at -93.981,-56.035 h1.5 r270